# Altium PCB PCB.pcbdoc (part 1 of 6)
Units mil, origin at the board's own origin, x right, y up, seen from the top; angles counter-clockwise.
Board outline 12030 x 6651.89 mil, 2 copper layers (Top Layer, Bottom Layer); 4 components, 257 nets, 480 pads, 2 vias.
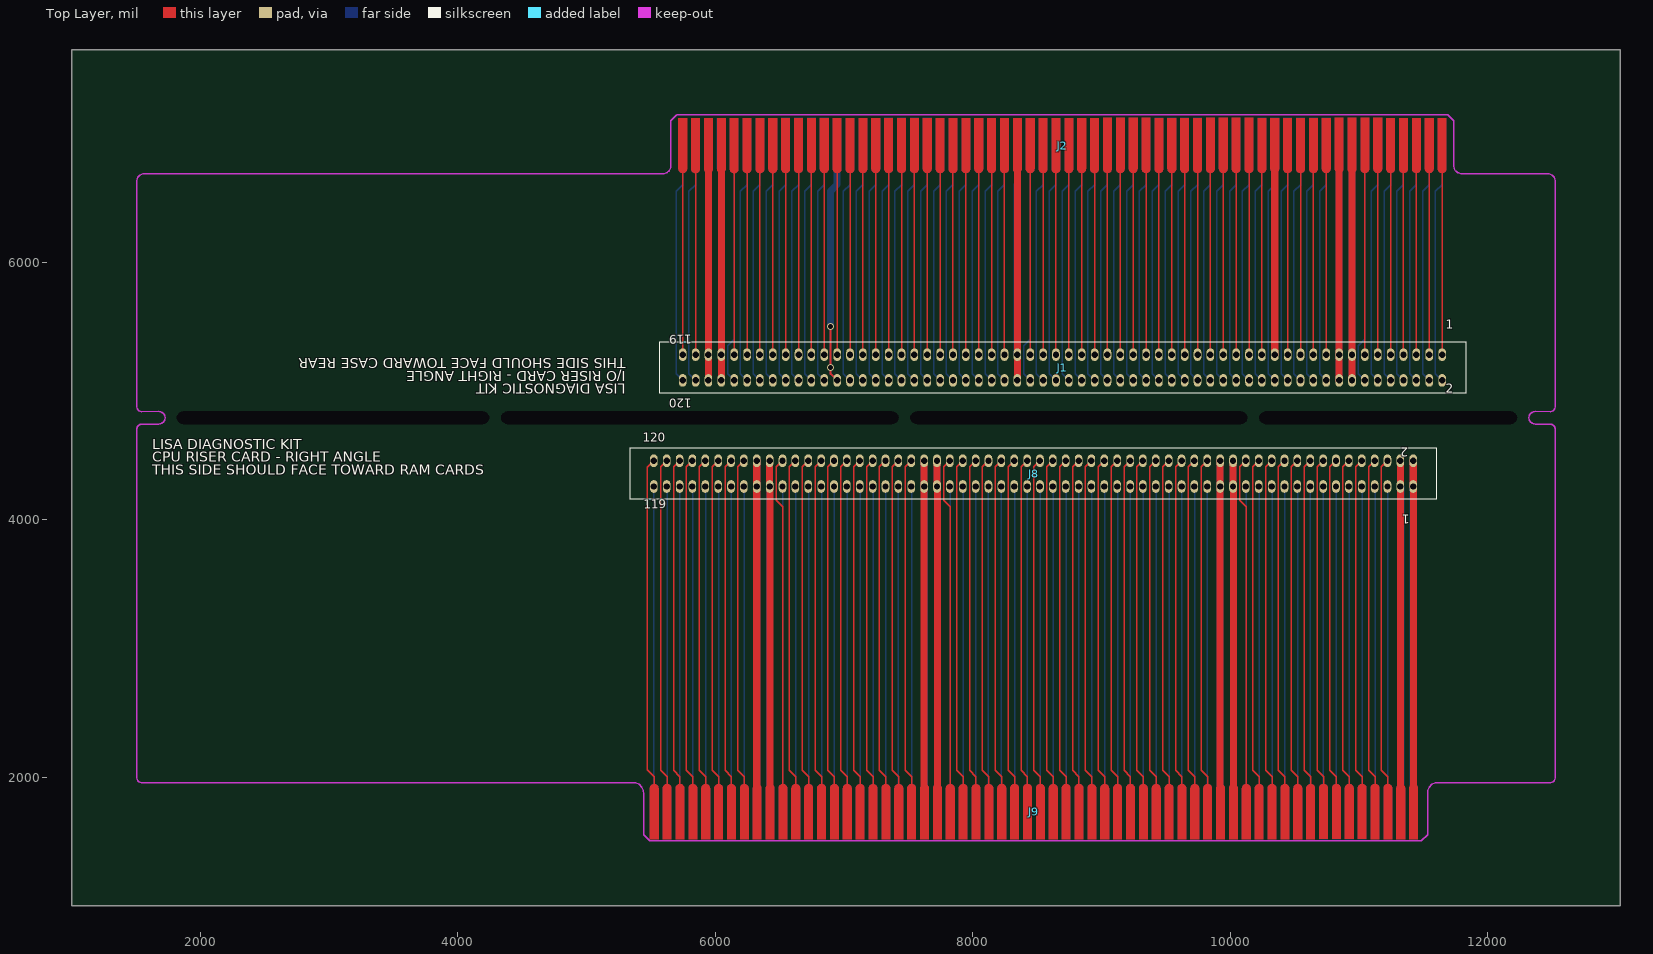
[diagram p0: Top Layer view]
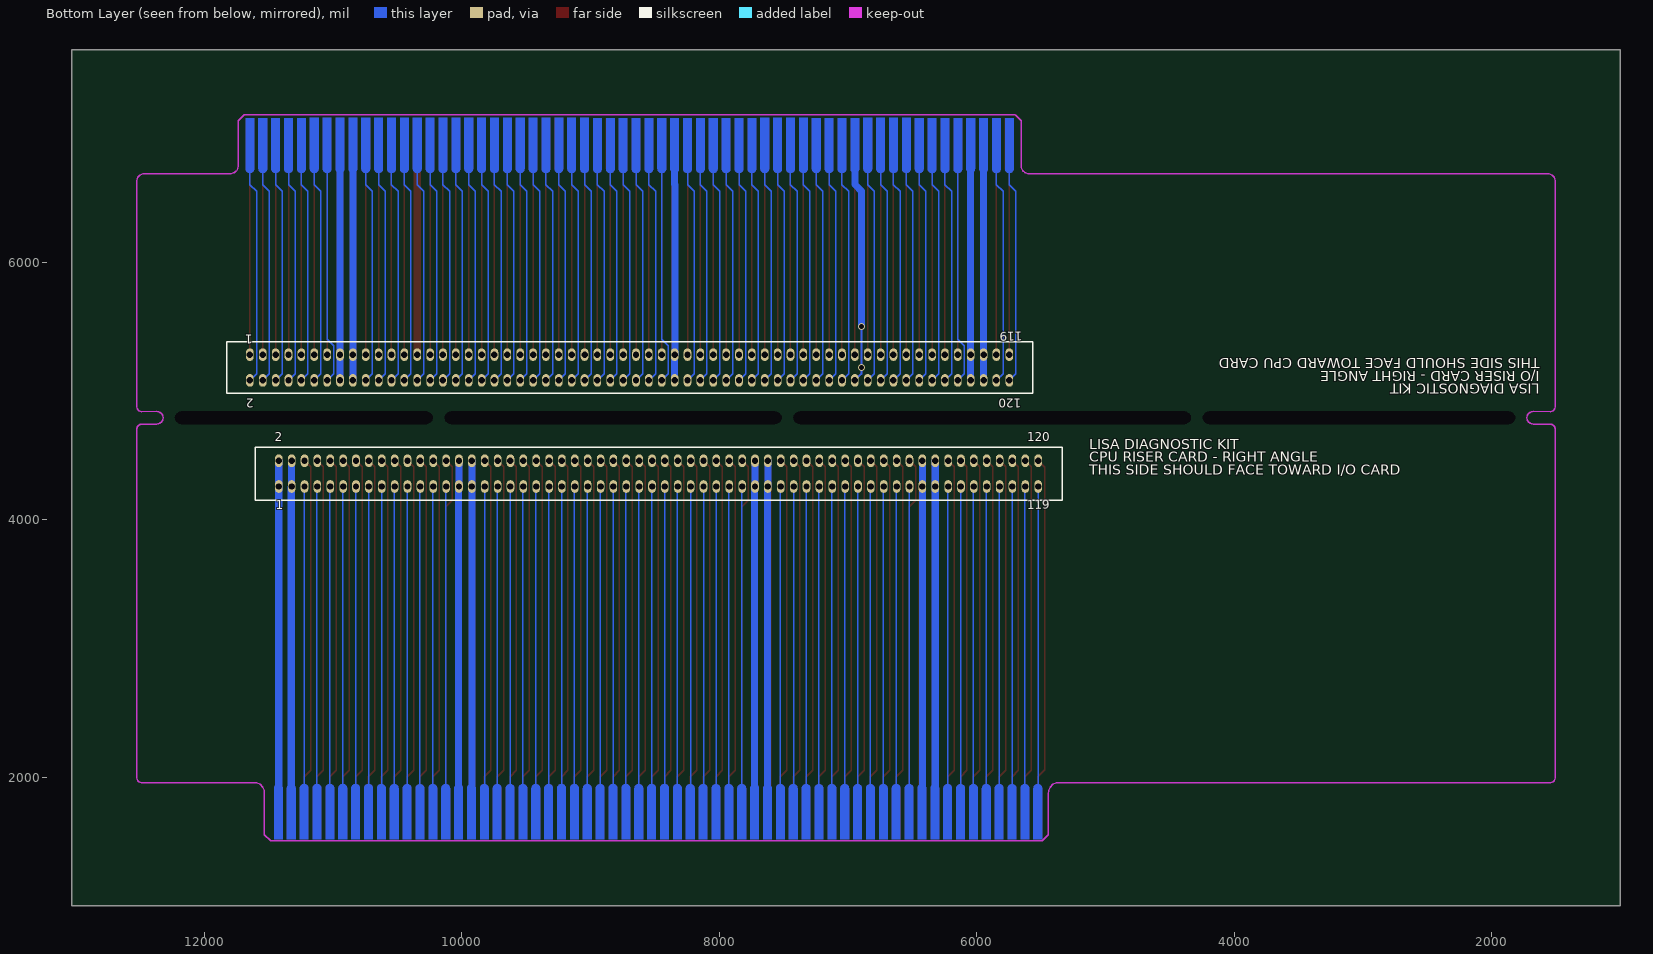
[diagram p1: Bottom Layer view, seen from below]

## Layer stack, top to bottom
Top Layer: signal copper (thickness not stored)
Dielectric: dielectric 12.6, FR-4, Dk 4.8
Bottom Layer: signal copper (thickness not stored)

## Board outline
13030,1000 1000,1000 1000,7651.89 13030,7651.89
cut-out: 1863.76,4744.23 cw(c1863.76,4793.16) 1863.76,4842.1 4194.82,4842.1 cw(c4194.82,4793.16) 4194.82,4744.23 1863.76,4744.23
cut-out: 4383.76,4744.23 cw(c4383.76,4793.16) 4383.76,4842.1 7374.82,4842.1 cw(c7374.82,4793.16) 7374.82,4744.23 4383.76,4744.23
cut-out: 10084.81,4744.23 ccw(c10084.81,4793.16) 10084.81,4842.1 7563.76,4842.1 ccw(c7563.75,4793.16) 7563.75,4744.23 10084.81,4744.23
cut-out: 12180.34,4744.23 ccw(c12180.34,4793.16) 12180.34,4842.1 10273.75,4842.1 ccw(c10273.75,4793.16) 10273.75,4744.23 12180.34,4744.23

## Components (designator, comment, footprint, x,y, rotation, side; value= is the part's Value field where it differs from the comment)
J1 "Socket" LISA-120 11613.18,5283.28 r180 top
J2 "Card Edge" I/O_EDGE_CONNECTOR 8696.22,6908.15 r180 top
J8 "Socket" LISA-120 5555.01,4259.07 r0 top
J9 "Card Edge" I/O_EDGE_CONNECTOR 8475.01,1733.17 r0 top

## Footprints (in the part's own frame and the unit in brackets; to place one, negate y for a bottom-side part, rotate by r counter-clockwise, add the part's x,y. Pads: shape width x height; smd on the part's side, far side on the other; paste and mask are expansions set on the pad)
I/O_EDGE_CONNECTOR [mil]
  round 0 smd: 1(-2950.07,-0.21) 3(-2850.05,-0.22) 5(-2750.05,-0.22) 7(-2650.05,-0.22) 9(-2550.05,-0.22) 11(-2450.08,-0.53) 13(-2350.08,-0.53) 15(-2250.08,-0.53) 17(-2150.08,-0.53) 19(-2050.06,-0.22) 21(-1950.06,-0.22) 23(-1850.04,-0.22) 25(-1750.03,-0.22) 27(-1650.04,-0.22) 29(-1550.04,-0.22) 31(-1450.07,-0.54) 33(-1350.07,-0.54) 35(-1250.07,-0.54) 37(-1150.07,-0.54) 39(-1050.05,-0.23) 41(-950.05,-0.23) 43(-850.05,-0.23) 45(-750.05,-0.23) 47(-650.08,-0.54) 49(-550.08,-0.54) 51(-450.08,-0.54) 53(-350.08,-0.54) 55(-250,0.4) 57(-150,0.4) 59(-50,0.4) 61(50,0.4) 63(149.97,0.09) 65(249.97,0.09) 67(349.97,0.09) 69(449.97,0.09) 71(549.97,0.09) 73(649.99,0.09) 75(749.99,0.09) 77(849.99,0.09) 79(949.99,0.09) 81(1049.96,-0.23) 83(1149.96,-0.23) 85(1249.96,-0.23) 87(1349.96,-0.23) 89(1449.98,0.08) 91(1549.98,0.08) 93(1649.98,0.08) 95(1749.98,0.08) 97(1849.95,-0.23) 99(1949.95,-0.23) 101(2049.95,-0.23) 103(2149.95,-0.23) 105(2250.03,0.71) 107(2350.03,0.71) 109(2450.03,0.71) 111(2550.03,0.71) 113(2650,0.4) 115(2750,0.4) 117(2850,0.4) 119(2949.61,0.4)
  round 0 smd far side: 2(-2950,-0.38) 4(-2849.98,-0.38) 6(-2749.98,-0.38) 8(-2649.98,-0.38) 10(-2549.98,-0.38) 12(-2450.01,-0.7) 14(-2350.01,-0.69) 16(-2250.01,-0.69) 18(-2150.01,-0.69) 20(-2049.99,-0.39) 22(-1949.99,-0.39) 24(-1849.97,-0.39) 26(-1749.97,-0.39) 28(-1649.97,-0.39) 30(-1549.97,-0.39) 32(-1450,-0.71) 34(-1350,-0.71) 36(-1250,-0.71) 38(-1150,-0.71) 40(-1049.98,-0.4) 42(-949.98,-0.4) 44(-849.98,-0.4) 46(-749.99,-0.4) 48(-650.02,-0.71) 50(-550.01,-0.71) 52(-450.01,-0.71) 54(-350.01,-0.71) 56(-249.93,0.23) 58(-149.93,0.23) 60(-49.93,0.23) 62(50.07,0.23) 64(150.04,-0.08) 66(250.04,-0.08) 68(350.04,-0.08) 70(450.04,-0.08) 72(550.04,-0.08) 74(650.06,-0.08) 76(750.06,-0.08) 78(850.06,-0.08) 80(950.06,-0.08) 82(1050.03,-0.39) 84(1150.03,-0.39) 86(1250.03,-0.39) 88(1350.03,-0.39) 90(1450.05,-0.09) 92(1550.05,-0.09) 94(1650.05,-0.09) 96(1750.05,-0.09) 98(1850.01,-0.4) 100(1950.02,-0.4) 102(2050.02,-0.4) 104(2150.02,-0.4) 106(2250.1,0.54) 108(2350.1,0.54) 110(2450.1,0.54) 112(2550.1,0.54) 114(2650.07,0.23) 116(2750.07,0.23) 118(2850.07,0.23) 120(2950.07,0.23)
  Top Layer region: 2951.24,213.83 2949.6,213.87 2949.6,213.87 2947.97,213.83 2947.97,213.83 2946.34,213.71 2946.34,213.71 2944.71,213.51 2944.71,213.51 2943.1,213.23 2943.1,213.23 2941.5,212.87 2941.5,212.87 2939.93,212.44 2939.93,212.44 2938.37,211.93 2938.37,211.93 2936.85,211.34 2936.85,211.34 2935.35,210.68 2935.35,210.68 2933.89,209.94 2933.89,209.94 2932.46,209.14 2932.46,209.14 2931.08,208.26 2931.08,208.26 2929.74,207.32 2929.74,207.32 2928.45,206.32 2928.45,206.32 2927.21,205.25 2927.21,205.25 2926.02,204.13 2926.02,204.13 2924.89,202.95 2924.89,202.95 2923.82,201.71 2923.82,201.71 2922.81,200.42 2922.81,200.42 2921.86,199.09 2921.86,199.09 2920.98,197.71 2920.98,197.71 2920.17,196.29 2920.17,196.29 2919.43,194.83 2919.43,194.83 2918.76,193.33 2918.76,193.33 2918.17,191.81 2918.17,191.81 2917.65,190.26 2917.65,190.26 2917.2,188.68 2917.2,188.68 2916.84,187.09 2916.84,187.09 2916.55,185.48 2916.55,185.48 2916.35,183.85 2916.35,183.85 2916.22,182.22 2916.22,182.22 2916.17,180.62 2916.17,180.62 2916.14,180.62 2916.14,180.62 2916.14,-213.08 2916.14,-213.08 2983.07,-213.08 2983.07,-213.08 2983.07,180.62 2983.07,180.62 2983.02,182.25 2983.02,182.25 2982.89,183.89 2982.89,183.89 2982.68,185.51 2982.68,185.51 2982.39,187.12 2982.39,187.12 2982.03,188.71 2982.03,188.71 2981.58,190.29 2981.58,190.29 2981.06,191.84 2981.06,191.84 2980.47,193.36 2980.47,193.36 2979.8,194.86 2979.8,194.86 2979.05,196.31 2979.05,196.31 2978.24,197.73 2978.24,197.73 2977.36,199.11 2977.36,199.11 2976.41,200.45 2976.41,200.45 2975.4,201.73 2975.4,201.73 2974.33,202.97 2974.33,202.97 2973.2,204.15 2973.2,204.15 2972.01,205.27 2972.01,205.27 2970.77,206.34 2970.77,206.34 2969.47,207.34 2969.47,207.34 2968.13,208.28 2968.13,208.28 2966.75,209.15 2966.75,209.15 2965.32,209.96 2965.32,209.96 2963.86,210.69 2963.86,210.69 2962.36,211.35 2962.36,211.35 2960.84,211.94 2960.84,211.94 2959.28,212.45 2959.28,212.45 2957.7,212.88 2957.7,212.88 2956.11,213.24 2956.11,213.24 2954.49,213.52 2954.49,213.52 2952.87,213.71 2952.87,213.71
  Top Layer region: 2851.63,213.83 2850,213.87 2850,213.87 2848.36,213.83 2848.36,213.83 2846.73,213.71 2846.73,213.71 2845.11,213.51 2845.11,213.51 2843.49,213.23 2843.49,213.23 2841.9,212.87 2841.9,212.87 2840.32,212.44 2840.32,212.44 2838.77,211.92 2838.77,211.92 2837.24,211.34 2837.24,211.34 2835.74,210.68 2835.74,210.68 2834.28,209.94 2834.28,209.94 2832.86,209.14 2832.86,209.14 2831.47,208.26 2831.47,208.26 2830.13,207.32 2830.13,207.32 2828.84,206.32 2828.84,206.32 2827.6,205.25 2827.6,205.25 2826.41,204.13 2826.41,204.13 2825.28,202.95 2825.28,202.95 2824.21,201.71 2824.21,201.71 2823.2,200.42 2823.2,200.42 2822.26,199.09 2822.26,199.09 2821.38,197.71 2821.38,197.71 2820.56,196.29 2820.56,196.29 2819.82,194.83 2819.82,194.83 2819.15,193.33 2819.15,193.33 2818.56,191.81 2818.56,191.81 2818.04,190.26 2818.04,190.26 2817.6,188.68 2817.6,188.68 2817.23,187.09 2817.23,187.09 2816.95,185.48 2816.95,185.48 2816.74,183.86 2816.74,183.86 2816.61,182.22 2816.61,182.22 2816.56,180.62 2816.56,180.62 2816.53,180.62 2816.53,180.62 2816.53,-213.08 2816.53,-213.08 2883.46,-213.08 2883.46,-213.08 2883.46,180.62 2883.46,180.62 2883.41,182.25 2883.41,182.25 2883.28,183.89 2883.28,183.89 2883.07,185.51 2883.07,185.51 2882.79,187.12 2882.79,187.12 2882.42,188.71 2882.42,188.71 2881.98,190.29 2881.98,190.29 2881.45,191.84 2881.45,191.84 2880.86,193.36 2880.86,193.36 2880.19,194.86 2880.19,194.86 2879.45,196.32 2879.45,196.32 2878.64,197.74 2878.64,197.74 2877.76,199.11 2877.76,199.11 2876.81,200.45 2876.81,200.45 2875.8,201.73 2875.8,201.73 2874.72,202.97 2874.72,202.97 2873.59,204.15 2873.59,204.15 2872.4,205.28 2872.4,205.28 2871.16,206.34 2871.16,206.34 2869.87,207.34 2869.87,207.34 2868.53,208.28 2868.53,208.28 2867.14,209.15 2867.14,209.15 2865.72,209.96 2865.72,209.96 2864.26,210.69 2864.26,210.69 2862.76,211.35 2862.76,211.35 2861.23,211.94 2861.23,211.94 2859.68,212.45 2859.68,212.45 2858.1,212.88 2858.1,212.88 2856.5,213.24 2856.5,213.24 2854.89,213.52 2854.89,213.52 2853.27,213.71 2853.27,213.71
  Top Layer region: 2751.64,213.83 2750,213.87 2750,213.87 2748.36,213.83 2748.36,213.83 2746.73,213.71 2746.73,213.71 2745.11,213.51 2745.11,213.51 2743.5,213.23 2743.5,213.23 2741.9,212.87 2741.9,212.87 2740.32,212.44 2740.32,212.44 2738.77,211.93 2738.77,211.93 2737.24,211.34 2737.24,211.34 2735.74,210.68 2735.74,210.68 2734.28,209.94 2734.28,209.94 2732.86,209.14 2732.86,209.14 2731.47,208.26 2731.47,208.26 2730.13,207.32 2730.13,207.32 2728.84,206.32 2728.84,206.32 2727.6,205.25 2727.6,205.25 2726.41,204.13 2726.41,204.13 2725.28,202.95 2725.28,202.95 2724.21,201.71 2724.21,201.71 2723.2,200.42 2723.2,200.42 2722.26,199.09 2722.26,199.09 2721.38,197.71 2721.38,197.71 2720.57,196.29 2720.57,196.29 2719.83,194.83 2719.83,194.83 2719.16,193.33 2719.16,193.33 2718.56,191.81 2718.56,191.81 2718.04,190.26 2718.04,190.26 2717.6,188.68 2717.6,188.68 2717.24,187.09 2717.24,187.09 2716.95,185.48 2716.95,185.48 2716.74,183.86 2716.74,183.86 2716.61,182.22 2716.61,182.22 2716.57,180.62 2716.57,180.62 2716.54,180.62 2716.54,180.62 2716.54,-213.08 2716.54,-213.08 2783.47,-213.08 2783.47,-213.08 2783.47,180.62 2783.47,180.62 2783.42,182.26 2783.42,182.26 2783.29,183.89 2783.29,183.89 2783.08,185.51 2783.08,185.51 2782.79,187.12 2782.79,187.12 2782.42,188.71 2782.42,188.71 2781.98,190.29 2781.98,190.29 2781.46,191.84 2781.46,191.84 2780.86,193.36 2780.86,193.36 2780.19,194.86 2780.19,194.86 2779.45,196.32 2779.45,196.32 2778.64,197.74 2778.64,197.74 2777.76,199.11 2777.76,199.11 2776.81,200.45 2776.81,200.45 2775.8,201.73 2775.8,201.73 2774.72,202.97 2774.72,202.97 2773.59,204.15 2773.59,204.15 2772.4,205.28 2772.4,205.28 2771.16,206.34 2771.16,206.34 2769.87,207.34 2769.87,207.34 2768.53,208.28 2768.53,208.28 2767.14,209.15 2767.14,209.15 2765.72,209.96 2765.72,209.96 2764.26,210.69 2764.26,210.69 2762.76,211.35 2762.76,211.35 2761.23,211.94 2761.23,211.94 2759.68,212.45 2759.68,212.45 2758.1,212.88 2758.1,212.88 2756.5,213.24 2756.5,213.24 2754.89,213.52 2754.89,213.52 2753.27,213.71 2753.27,213.71
  Top Layer region: 2651.63,213.83 2650,213.87 2650,213.87 2648.36,213.83 2648.36,213.83 2646.73,213.71 2646.73,213.71 2645.11,213.51 2645.11,213.51 2643.49,213.23 2643.49,213.23 2641.9,212.87 2641.9,212.87 2640.32,212.44 2640.32,212.44 2638.77,211.93 2638.77,211.93 2637.24,211.34 2637.24,211.34 2635.74,210.68 2635.74,210.68 2634.28,209.94 2634.28,209.94 2632.86,209.14 2632.86,209.14 2631.47,208.26 2631.47,208.26 2630.13,207.32 2630.13,207.32 2628.84,206.32 2628.84,206.32 2627.6,205.25 2627.6,205.25 2626.41,204.13 2626.41,204.13 2625.28,202.95 2625.28,202.95 2624.21,201.71 2624.21,201.71 2623.2,200.42 2623.2,200.42 2622.26,199.09 2622.26,199.09 2621.38,197.71 2621.38,197.71 2620.57,196.29 2620.57,196.29 2619.82,194.83 2619.82,194.83 2619.16,193.33 2619.16,193.33 2618.56,191.81 2618.56,191.81 2618.04,190.26 2618.04,190.26 2617.6,188.68 2617.6,188.68 2617.24,187.09 2617.24,187.09 2616.95,185.48 2616.95,185.48 2616.74,183.86 2616.74,183.86 2616.61,182.22 2616.61,182.22 2616.57,180.62 2616.57,180.62 2616.54,180.62 2616.54,180.62 2616.54,-213.08 2616.54,-213.08 2683.47,-213.08 2683.47,-213.08 2683.47,180.62 2683.47,180.62 2683.41,182.26 2683.41,182.26 2683.28,183.89 2683.28,183.89 2683.08,185.51 2683.08,185.51 2682.79,187.12 2682.79,187.12 2682.42,188.71 2682.42,188.71 2681.98,190.29 2681.98,190.29 2681.45,191.84 2681.45,191.84 2680.86,193.36 2680.86,193.36 2680.19,194.86 2680.19,194.86 2679.45,196.32 2679.45,196.32 2678.64,197.74 2678.64,197.74 2677.76,199.11 2677.76,199.11 2676.81,200.45 2676.81,200.45 2675.8,201.73 2675.8,201.73 2674.72,202.97 2674.72,202.97 2673.59,204.15 2673.59,204.15 2672.4,205.28 2672.4,205.28 2671.16,206.34 2671.16,206.34 2669.87,207.34 2669.87,207.34 2668.53,208.28 2668.53,208.28 2667.14,209.15 2667.14,209.15 2665.72,209.96 2665.72,209.96 2664.26,210.69 2664.26,210.69 2662.76,211.35 2662.76,211.35 2661.23,211.94 2661.23,211.94 2659.68,212.45 2659.68,212.45 2658.1,212.88 2658.1,212.88 2656.5,213.24 2656.5,213.24 2654.89,213.52 2654.89,213.52 2653.27,213.71 2653.27,213.71
  Top Layer region: 2551.66,214.15 2550.03,214.19 2550.03,214.19 2548.39,214.15 2548.39,214.15 2546.76,214.02 2546.76,214.02 2545.14,213.82 2545.14,213.82 2543.53,213.54 2543.53,213.54 2541.93,213.19 2541.93,213.19 2540.35,212.75 2540.35,212.75 2538.8,212.24 2538.8,212.24 2537.27,211.65 2537.27,211.65 2535.77,210.99 2535.77,210.99 2534.31,210.26 2534.31,210.26 2532.89,209.45 2532.89,209.45 2531.5,208.58 2531.5,208.58 2530.16,207.64 2530.16,207.64 2528.87,206.63 2528.87,206.63 2527.63,205.57 2527.63,205.57 2526.44,204.44 2526.44,204.44 2525.31,203.26 2525.31,203.26 2524.24,202.02 2524.24,202.02 2523.23,200.74 2523.23,200.74 2522.29,199.4 2522.29,199.4 2521.41,198.02 2521.41,198.02 2520.6,196.6 2520.6,196.6 2519.86,195.14 2519.86,195.14 2519.19,193.65 2519.19,193.65 2518.59,192.12 2518.59,192.12 2518.07,190.57 2518.07,190.57 2517.63,189 2517.63,189 2517.27,187.4 2517.27,187.4 2516.98,185.79 2516.98,185.79 2516.77,184.17 2516.77,184.17 2516.64,182.54 2516.64,182.54 2516.6,180.93 2516.6,180.93 2516.57,180.93 2516.57,180.93 2516.57,-212.77 2516.57,-212.77 2583.49,-212.77 2583.49,-212.77 2583.49,180.93 2583.49,180.93 2583.44,182.57 2583.44,182.57 2583.32,184.2 2583.32,184.2 2583.11,185.82 2583.11,185.82 2582.82,187.43 2582.82,187.43 2582.45,189.03 2582.45,189.03 2582.01,190.6 2582.01,190.6 2581.49,192.15 2581.49,192.15 2580.89,193.68 2580.89,193.68 2580.22,195.17 2580.22,195.17 2579.48,196.63 2579.48,196.63 2578.67,198.05 2578.67,198.05 2577.79,199.43 2577.79,199.43 2576.84,200.76 2576.84,200.76 2575.83,202.05 2575.83,202.05 2574.75,203.28 2574.75,203.28 2573.62,204.46 2573.62,204.46 2572.43,205.59 2572.43,205.59 2571.19,206.65 2571.19,206.65 2569.9,207.66 2569.9,207.66 2568.56,208.6 2568.56,208.6 2567.17,209.47 2567.17,209.47 2565.75,210.27 2565.75,210.27 2564.29,211 2564.29,211 2562.79,211.66 2562.79,211.66 2561.26,212.25 2561.26,212.25 2559.71,212.76 2559.71,212.76 2558.13,213.19 2558.13,213.19 2556.53,213.55 2556.53,213.55 2554.92,213.83 2554.92,213.83 2553.3,214.03 2553.3,214.03
  Top Layer region: 2451.67,214.15 2450.03,214.19 2450.03,214.19 2448.4,214.15 2448.4,214.15 2446.76,214.02 2446.76,214.02 2445.14,213.82 2445.14,213.82 2443.53,213.54 2443.53,213.54 2441.93,213.19 2441.93,213.19 2440.35,212.75 2440.35,212.75 2438.8,212.24 2438.8,212.24 2437.27,211.65 2437.27,211.65 2435.78,210.99 2435.78,210.99 2434.31,210.26 2434.31,210.26 2432.89,209.45 2432.89,209.45 2431.51,208.58 2431.51,208.58 2430.17,207.64 2430.17,207.64 2428.88,206.63 2428.88,206.63 2427.63,205.57 2427.63,205.57 2426.45,204.44 2426.45,204.44 2425.32,203.26 2425.32,203.26 2424.24,202.02 2424.24,202.02 2423.23,200.74 2423.23,200.74 2422.29,199.4 2422.29,199.4 2421.41,198.02 2421.41,198.02 2420.6,196.6 2420.6,196.6 2419.86,195.14 2419.86,195.14 2419.19,193.65 2419.19,193.65 2418.59,192.12 2418.59,192.12 2418.07,190.57 2418.07,190.57 2417.63,189 2417.63,189 2417.27,187.4 2417.27,187.4 2416.98,185.79 2416.98,185.79 2416.77,184.17 2416.77,184.17 2416.64,182.54 2416.64,182.54 2416.6,180.93 2416.6,180.93 2416.57,180.93 2416.57,180.93 2416.57,-212.77 2416.57,-212.77 2483.5,-212.77 2483.5,-212.77 2483.5,180.93 2483.5,180.93 2483.45,182.57 2483.45,182.57 2483.32,184.2 2483.32,184.2 2483.11,185.82 2483.11,185.82 2482.82,187.43 2482.82,187.43 2482.45,189.03 2482.45,189.03 2482.01,190.6 2482.01,190.6 2481.49,192.15 2481.49,192.15 2480.89,193.68 2480.89,193.68 2480.22,195.17 2480.22,195.17 2479.48,196.63 2479.48,196.63 2478.67,198.05 2478.67,198.05 2477.79,199.43 2477.79,199.43 2476.84,200.76 2476.84,200.76 2475.83,202.05 2475.83,202.05 2474.76,203.28 2474.76,203.28 2473.62,204.46 2473.62,204.46 2472.44,205.59 2472.44,205.59 2471.19,206.65 2471.19,206.65 2469.9,207.66 2469.9,207.66 2468.56,208.6 2468.56,208.6 2467.18,209.47 2467.18,209.47 2465.75,210.27 2465.75,210.27 2464.29,211 2464.29,211 2462.79,211.66 2462.79,211.66 2461.26,212.25 2461.26,212.25 2459.71,212.76 2459.71,212.76 2458.13,213.19 2458.13,213.19 2456.53,213.55 2456.53,213.55 2454.92,213.83 2454.92,213.83 2453.3,214.03 2453.3,214.03
  Top Layer region: 2351.67,214.15 2350.03,214.19 2350.03,214.19 2348.4,214.15 2348.4,214.15 2346.77,214.02 2346.77,214.02 2345.14,213.82 2345.14,213.82 2343.53,213.54 2343.53,213.54 2341.93,213.19 2341.93,213.19 2340.36,212.75 2340.36,212.75 2338.8,212.24 2338.8,212.24 2337.28,211.65 2337.28,211.65 2335.78,210.99 2335.78,210.99 2334.32,210.26 2334.32,210.26 2332.89,209.45 2332.89,209.45 2331.51,208.58 2331.51,208.58 2330.17,207.64 2330.17,207.64 2328.88,206.63 2328.88,206.63 2327.64,205.57 2327.64,205.57 2326.45,204.44 2326.45,204.44 2325.32,203.26 2325.32,203.26 2324.25,202.02 2324.25,202.02 2323.24,200.74 2323.24,200.74 2322.29,199.4 2322.29,199.4 2321.41,198.02 2321.41,198.02 2320.6,196.6 2320.6,196.6 2319.86,195.14 2319.86,195.14 2319.19,193.65 2319.19,193.65 2318.6,192.12 2318.6,192.12 2318.08,190.57 2318.08,190.57 2317.63,189 2317.63,189 2317.27,187.4 2317.27,187.4 2316.98,185.79 2316.98,185.79 2316.77,184.17 2316.77,184.17 2316.65,182.54 2316.65,182.54 2316.6,180.93 2316.6,180.93 2316.57,180.93 2316.57,180.93 2316.57,-212.77 2316.57,-212.77 2383.5,-212.77 2383.5,-212.77 2383.5,180.93 2383.5,180.93 2383.45,182.57 2383.45,182.57 2383.32,184.2 2383.32,184.2 2383.11,185.82 2383.11,185.82 2382.82,187.43 2382.82,187.43 2382.45,189.03 2382.45,189.03 2382.01,190.6 2382.01,190.6 2381.49,192.15 2381.49,192.15 2380.9,193.68 2380.9,193.68 2380.23,195.17 2380.23,195.17 2379.48,196.63 2379.48,196.63 2378.67,198.05 2378.67,198.05 2377.79,199.43 2377.79,199.43 2376.84,200.76 2376.84,200.76 2375.83,202.05 2375.83,202.05 2374.76,203.28 2374.76,203.28 2373.63,204.46 2373.63,204.46 2372.44,205.59 2372.44,205.59 2371.2,206.65 2371.2,206.65 2369.9,207.66 2369.9,207.66 2368.56,208.6 2368.56,208.6 2367.18,209.47 2367.18,209.47 2365.75,210.27 2365.75,210.27 2364.29,211 2364.29,211 2362.79,211.66 2362.79,211.66 2361.27,212.25 2361.27,212.25 2359.71,212.76 2359.71,212.76 2358.13,213.19 2358.13,213.19 2356.54,213.55 2356.54,213.55 2354.92,213.83 2354.92,213.83 2353.3,214.03 2353.3,214.03
  Top Layer region: 2251.67,214.15 2250.03,214.19 2250.03,214.19 2248.4,214.15 2248.4,214.15 2246.76,214.02 2246.76,214.02 2245.14,213.82 2245.14,213.82 2243.53,213.54 2243.53,213.54 2241.93,213.19 2241.93,213.19 2240.35,212.75 2240.35,212.75 2238.8,212.24 2238.8,212.24 2237.27,211.65 2237.27,211.65 2235.78,210.99 2235.78,210.99 2234.31,210.26 2234.31,210.26 2232.89,209.45 2232.89,209.45 2231.51,208.58 2231.51,208.58 2230.17,207.64 2230.17,207.64 2228.88,206.63 2228.88,206.63 2227.63,205.57 2227.63,205.57 2226.45,204.44 2226.45,204.44 2225.32,203.26 2225.32,203.26 2224.24,202.02 2224.24,202.02 2223.23,200.74 2223.23,200.74 2222.29,199.4 2222.29,199.4 2221.41,198.02 2221.41,198.02 2220.6,196.6 2220.6,196.6 2219.86,195.14 2219.86,195.14 2219.19,193.65 2219.19,193.65 2218.59,192.12 2218.59,192.12 2218.07,190.57 2218.07,190.57 2217.63,189 2217.63,189 2217.27,187.4 2217.27,187.4 2216.98,185.79 2216.98,185.79 2216.77,184.17 2216.77,184.17 2216.64,182.54 2216.64,182.54 2216.6,180.93 2216.6,180.93 2216.57,180.93 2216.57,180.93 2216.57,-212.77 2216.57,-212.77 2283.5,-212.77 2283.5,-212.77 2283.5,180.93 2283.5,180.93 2283.45,182.57 2283.45,182.57 2283.32,184.2 2283.32,184.2 2283.11,185.82 2283.11,185.82 2282.82,187.43 2282.82,187.43 2282.45,189.03 2282.45,189.03 2282.01,190.6 2282.01,190.6 2281.49,192.15 2281.49,192.15 2280.89,193.68 2280.89,193.68 2280.22,195.17 2280.22,195.17 2279.48,196.63 2279.48,196.63 2278.67,198.05 2278.67,198.05 2277.79,199.43 2277.79,199.43 2276.84,200.76 2276.84,200.76 2275.83,202.05 2275.83,202.05 2274.76,203.28 2274.76,203.28 2273.62,204.46 2273.62,204.46 2272.44,205.59 2272.44,205.59 2271.19,206.65 2271.19,206.65 2269.9,207.66 2269.9,207.66 2268.56,208.6 2268.56,208.6 2267.18,209.47 2267.18,209.47 2265.75,210.27 2265.75,210.27 2264.29,211 2264.29,211 2262.79,211.66 2262.79,211.66 2261.26,212.25 2261.26,212.25 2259.71,212.76 2259.71,212.76 2258.13,213.19 2258.13,213.19 2256.53,213.55 2256.53,213.55 2254.92,213.83 2254.92,213.83 2253.3,214.03 2253.3,214.03
  Top Layer region: 2151.58,213.21 2149.95,213.25 2149.95,213.25 2148.31,213.2 2148.31,213.2 2146.68,213.08 2146.68,213.08 2145.06,212.88 2145.06,212.88 2143.44,212.6 2143.44,212.6 2141.85,212.25 2141.85,212.25 2140.27,211.81 2140.27,211.81 2138.72,211.3 2138.72,211.3 2137.19,210.71 2137.19,210.71 2135.69,210.05 2135.69,210.05 2134.23,209.31 2134.23,209.31 2132.81,208.51 2132.81,208.51 2131.42,207.64 2131.42,207.64 2130.08,206.7 2130.08,206.7 2128.79,205.69 2128.79,205.69 2127.55,204.63 2127.55,204.63 2126.36,203.5 2126.36,203.5 2125.23,202.32 2125.23,202.32 2124.16,201.08 2124.16,201.08 2123.15,199.8 2123.15,199.8 2122.2,198.46 2122.2,198.46 2121.32,197.08 2121.32,197.08 2120.51,195.66 2120.51,195.66 2119.77,194.2 2119.77,194.2 2119.11,192.71 2119.11,192.71 2118.51,191.18 2118.51,191.18 2117.99,189.63 2117.99,189.63 2117.55,188.06 2117.55,188.06 2117.18,186.46 2117.18,186.46 2116.9,184.85 2116.9,184.85 2116.69,183.23 2116.69,183.23 2116.56,181.6 2116.56,181.6 2116.51,179.99 2116.51,179.99 2116.49,179.99 2116.49,179.99 2116.49,-213.71 2116.49,-213.71 2183.41,-213.71 2183.41,-213.71 2183.41,179.99 2183.41,179.99 2183.36,181.63 2183.36,181.63 2183.24,183.26 2183.24,183.26 2183.03,184.88 2183.03,184.88 2182.74,186.49 2182.74,186.49 2182.37,188.09 2182.37,188.09 2181.93,189.66 2181.93,189.66 2181.4,191.21 2181.4,191.21 2180.81,192.74 2180.81,192.74 2180.14,194.23 2180.14,194.23 2179.4,195.69 2179.4,195.69 2178.59,197.11 2178.59,197.11 2177.7,198.49 2177.7,198.49 2176.76,199.82 2176.76,199.82 2175.75,201.11 2175.75,201.11 2174.67,202.34 2174.67,202.34 2173.54,203.52 2173.54,203.52 2172.35,204.65 2172.35,204.65 2171.11,205.71 2171.11,205.71 2169.82,206.72 2169.82,206.72 2168.48,207.65 2168.48,207.65 2167.09,208.53 2167.09,208.53 2165.67,209.33 2165.67,209.33 2164.2,210.06 2164.2,210.06 2162.71,210.72 2162.71,210.72 2161.18,211.31 2161.18,211.31 2159.63,211.82 2159.63,211.82 2158.05,212.25 2158.05,212.25 2156.45,212.61 2156.45,212.61 2154.84,212.89 2154.84,212.89 2153.22,213.09 2153.22,213.09